# KiCad board TX75v2 PCB replacement.kicad_pcb (continued)
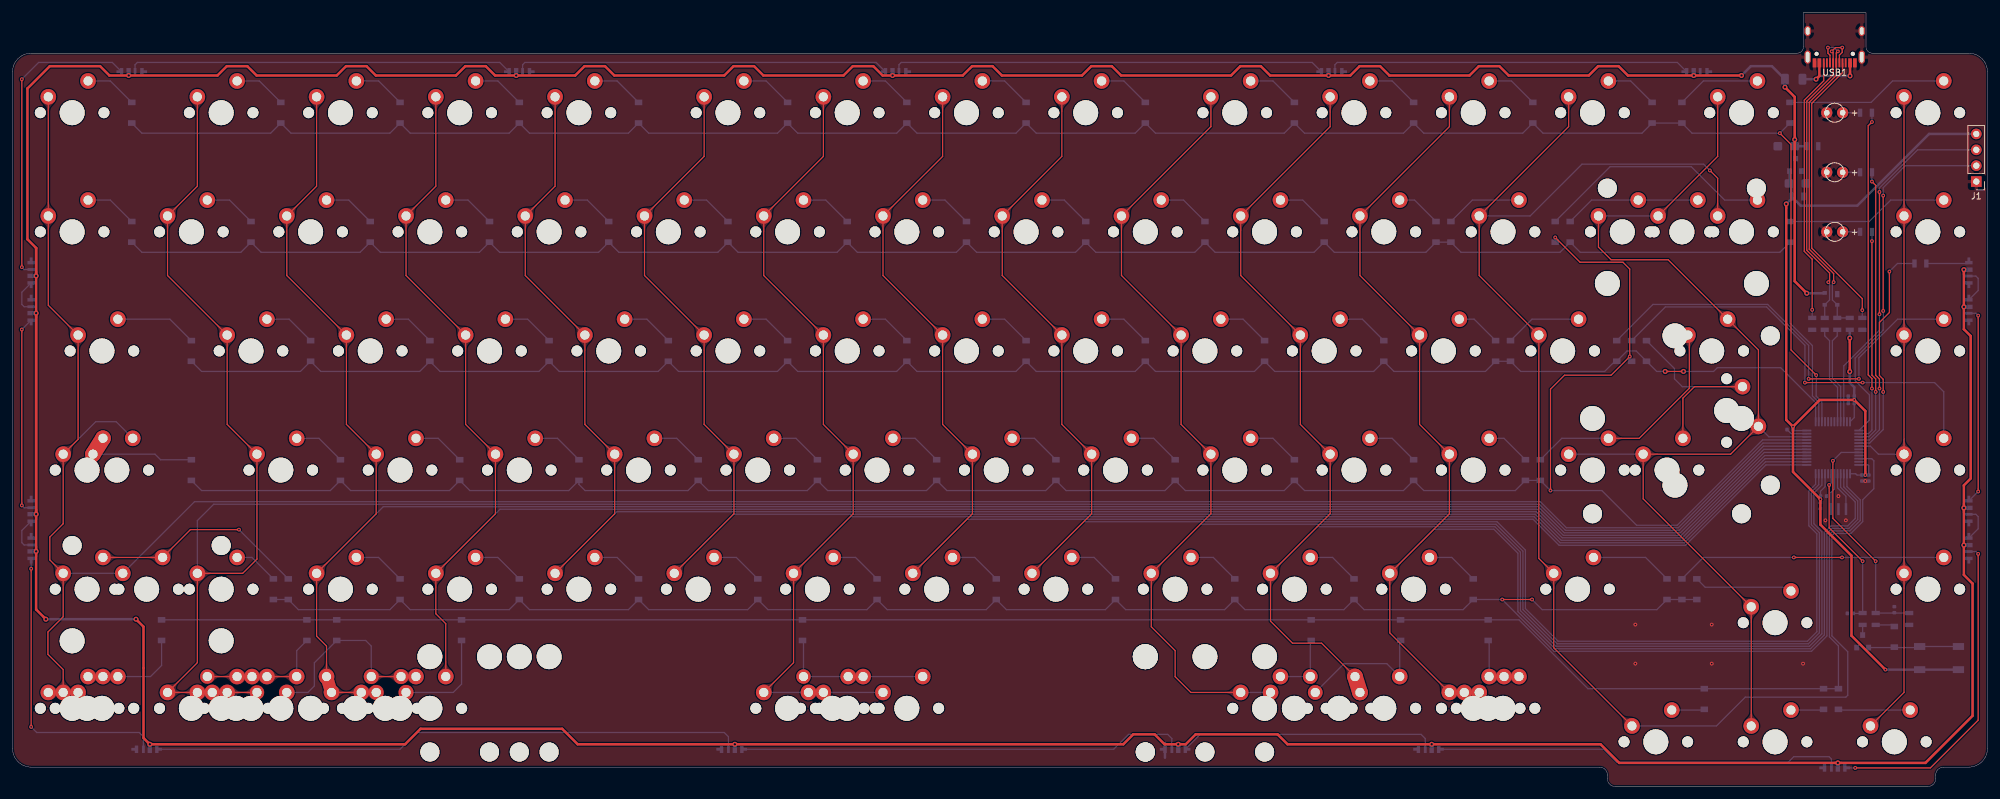
[diagram p0: board, top side]
## Nets
+5V: C11.1 D76.4 D77.4 D78.4 D79.4 D80.4 D81.4 D82.4 D83.4 D84.4 D85.4 D89.4 D90.4 D91.4 D92.4 D93.4 D94.4 D95.4 D96.4 F1.1 R8.1 U2.4 U3.3
GND: C1.1 C2.2 C4.1 C5.1 C6.1 C7.1 C8.1 C9.1 C10.1 C11.2 C12.2 D76.2 D77.2 D78.2 D79.2 D80.2 D81.2 D82.2 D83.2 D84.2 D85.2 D86.1 D87.1 D88.1 D89.2 D90.2 D91.2 D92.2 D93.2 D94.2 D95.2 D96.2 J1.1 Q1.2 R1.2 R4.1 R5.1 R8.2 R10.2 U1.8 U1.23 U1.35 U1.47 U2.1 U3.1 USB1.1 USB1.12 USB1.13 Y1.2
VCC: C4.2 C5.2 C6.2 C7.2 C8.2 C9.2 C10.2 C12.1 J1.4 R10.1 R14.1 SW1.1 U1.1 U1.9 U1.24 U1.36 U1.48 U3.2
/R+: R7.2 U2.3 USB1.5 USB1.7
/R-: R6.2 R14.2 U2.2 USB1.6 USB1.8
Boot0: C2.1 R1.1 R3.1 U1.44
C0: MX1.1 MX2.1 MX3.1 MX4.2 MX5.1 MX6.1 MX7.1 MX8.1 MX9.1 MX104.1 U1.20
C1: MX10.1 MX11.1 MX12.1 MX13.1 MX14.1 MX15.1 MX16.1 MX17.1 MX18.1 MX105.1 U1.19
C2: MX19.1 MX20.1 MX21.1 MX22.1 MX23.1 MX24.1 MX25.1 MX26.1 MX106.2 U1.18
C3: MX27.1 MX28.1 MX29.1 MX30.1 MX31.1 MX107.2 U1.17
C4: MX32.1 MX33.1 MX34.1 MX35.1 MX36.1 U1.16
C5: MX37.1 MX38.1 MX39.1 MX40.1 MX41.1 U1.15
C6: MX42.1 MX43.1 MX44.1 MX45.1 MX46.1 MX47.1 MX48.1 MX49.1 MX50.1 U1.14
C7: MX51.1 MX52.1 MX53.1 MX54.1 MX55.1 U1.13
C8: MX56.1 MX57.1 MX58.1 MX59.1 MX60.1 U1.12
C9: MX61.1 MX62.1 MX63.1 MX64.1 MX65.1 MX66.1 MX67.1 U1.11
C10: MX68.1 MX69.1 MX70.1 MX71.1 MX72.1 MX73.2 MX74.1 U1.10
C11: MX75.1 MX76.1 MX77.1 MX78.1 MX79.1 MX80.1 MX81.1 MX82.1 U1.4
C12: MX83.1 MX84.1 MX85.1 MX86.1 MX87.1 MX88.1 U1.46
C13: MX89.1 MX90.1 MX91.1 MX92.1 MX93.1 MX94.1 MX95.1 MX96.2 MX97.2 U1.22
C14: MX98.1 MX99.1 MX100.1 MX101.1 MX102.1 MX103.1 U1.42
D+: R6.1 U1.33
D-: R7.1 U1.32
HSE_0: U1.5 Y1.3
HSE_1: U1.6 Y1.1
indicator1: R11.2 U1.38
indicator2: R13.2 U1.39
indicator3: R12.2 U1.40
NRST: C1.2 R2.1 U1.7
R0: D3.1 D9.1 D15.1 D21.1 D26.1 D31.1 D36.1 D41.1 D46.1 D51.1 D56.1 D61.1 D66.1 D71.1 D97.1 U1.27
R1: D4.1 D10.1 D16.1 D22.1 D27.1 D32.1 D37.1 D42.1 D47.1 D52.1 D57.1 D62.1 D67.1 D72.1 D98.1 U1.26
R2: D5.1 D11.1 D17.1 D23.1 D28.1 D33.1 D38.1 D43.1 D48.1 D53.1 D58.1 D63.1 D68.1 D73.1 D99.1 U1.25
R3: D6.1 D12.1 D18.1 D24.1 D29.1 D34.1 D39.1 D44.1 D49.1 D54.1 D59.1 D64.1 D69.1 D74.1 D100.1 U1.21
R4: D7.1 D13.1 D19.1 D25.1 D30.1 D35.1 D40.1 D45.1 D50.1 D55.1 D60.1 D65.1 D70.1 D75.1 D101.1 U1.3
R5: D2.1 D8.1 D14.1 D20.1 D102.1 D103.1 D104.1 D105.1 D106.1 D107.1 D108.1 U1.2
RGB1: D93.3 D96.1
RGB2: D77.3 D90.1
RGB3: D76.1 D83.3
RGBLED: D78.1 R9.1
SWCLK: J1.2 U1.37
SWDIO: J1.3 U1.34
Net-(D1-Pad1): D1.1 R3.2
Net-(D1-Pad2): D1.2 Q1.1 SW1.2
Net-(D2-Pad2): D2.2 MX107.1
Net-(D3-Pad2): D3.2 MX1.2
Net-(D4-Pad2): D4.2 MX2.2
Net-(D5-Pad2): D5.2 MX3.2
Net-(D6-Pad2): D6.2 MX4.1 MX5.2
Net-(D7-Pad2): D7.2 MX6.2 MX7.2
Net-(D8-Pad2): D8.2 MX8.2 MX9.2 MX104.2
Net-(D9-Pad2): D9.2 MX10.2
Net-(D10-Pad2): D10.2 MX11.2
Net-(D11-Pad2): D11.2 MX12.2
Net-(D12-Pad2): D12.2 MX13.2
Net-(D13-Pad2): D13.2 MX14.2
Net-(D14-Pad2): D14.2 MX15.2 MX16.2 MX17.2 MX18.2 MX105.2
Net-(D15-Pad2): D15.2 MX19.2
Net-(D16-Pad2): D16.2 MX20.2
Net-(D17-Pad2): D17.2 MX21.2
Net-(D18-Pad2): D18.2 MX22.2
Net-(D19-Pad2): D19.2 MX23.2
Net-(D20-Pad2): D20.2 MX24.2 MX25.2 MX26.2 MX106.1
Net-(D21-Pad2): D21.2 MX27.2
Net-(D22-Pad2): D22.2 MX28.2
Net-(D23-Pad2): D23.2 MX29.2
Net-(D24-Pad2): D24.2 MX30.2
Net-(D25-Pad2): D25.2 MX31.2
Net-(D26-Pad2): D26.2 MX32.2
Net-(D27-Pad2): D27.2 MX33.2
Net-(D28-Pad2): D28.2 MX34.2
Net-(D29-Pad2): D29.2 MX35.2
Net-(D30-Pad2): D30.2 MX36.2
Net-(D31-Pad2): D31.2 MX37.2
Net-(D32-Pad2): D32.2 MX38.2
Net-(D33-Pad2): D33.2 MX39.2
Net-(D34-Pad2): D34.2 MX40.2
Net-(D35-Pad2): D35.2 MX41.2
Net-(D36-Pad2): D36.2 MX46.2
Net-(D37-Pad2): D37.2 MX47.2
Net-(D38-Pad2): D38.2 MX48.2
Net-(D39-Pad2): D39.2 MX49.2
Net-(D40-Pad2): D40.2 MX50.2
Net-(D41-Pad2): D41.2 MX51.2
Net-(D42-Pad2): D42.2 MX52.2
Net-(D43-Pad2): D43.2 MX53.2
Net-(D44-Pad2): D44.2 MX54.2
Net-(D45-Pad2): D45.2 MX55.2
Net-(D46-Pad2): D46.2 MX56.2
Net-(D47-Pad2): D47.2 MX57.2
Net-(D48-Pad2): D48.2 MX58.2
Net-(D49-Pad2): D49.2 MX59.2
Net-(D50-Pad2): D50.2 MX60.2
Net-(D51-Pad2): D51.2 MX61.2
Net-(D52-Pad2): D52.2 MX62.2
Net-(D53-Pad2): D53.2 MX63.2
Net-(D54-Pad2): D54.2 MX64.2
Net-(D55-Pad2): D55.2 MX65.2
Net-(D56-Pad2): D56.2 MX68.2
Net-(D57-Pad2): D57.2 MX69.2
Net-(D58-Pad2): D58.2 MX70.2
Net-(D59-Pad2): D59.2 MX71.2
Net-(D60-Pad2): D60.2 MX72.2
Net-(D61-Pad2): D61.2 MX75.2
Net-(D62-Pad2): D62.2 MX76.2
Net-(D63-Pad2): D63.2 MX77.2
Net-(D64-Pad2): D64.2 MX78.2
Net-(D65-Pad2): D65.2 MX79.2
Net-(D66-Pad2): D66.2 MX83.2
Net-(D67-Pad2): D67.2 MX84.2
Net-(D68-Pad2): D68.2 MX85.2
Net-(D69-Pad2): D69.2 MX86.2
Net-(D70-Pad2): D70.2 MX87.2
Net-(D71-Pad2): D71.2 MX89.2
Net-(D72-Pad2): D72.2 MX90.2 MX91.2
Net-(D73-Pad2): D73.2 MX93.2 MX97.1
Net-(D74-Pad2): D74.2 MX92.2 MX96.1
Net-(D75-Pad2): D75.2 MX94.2
Net-(D76-Pad3): D76.3 D80.1
Net-(D77-Pad1): D77.1 D81.3
Net-(D78-Pad3): D78.3 D82.1
Net-(D79-Pad1): D79.1 D94.3
Net-(D79-Pad3): D79.3 D83.1
Net-(D80-Pad3): D80.3 D84.1
Net-(D81-Pad1): D81.1 D85.3
Net-(D82-Pad3): D82.3 D89.1
Net-(D84-Pad3): D84.3 D91.1
Net-(D85-Pad1): D85.1 D92.3
Net-(D86-Pad2): D86.2 R11.1
Net-(D87-Pad2): D87.2 R12.1
Net-(D88-Pad2): D88.2 R13.1
Net-(D89-Pad3): D89.3 D93.1
Net-(D90-Pad3): D90.3 D94.1
Net-(D91-Pad3): D91.3 D95.1
Net-(D92-Pad1): D92.1 D96.3
Net-(D95-Pad3): D95.3
Net-(D97-Pad2): D97.2 MX98.2
Net-(D98-Pad2): D98.2 MX99.2
Net-(D99-Pad2): D99.2 MX100.2
Net-(D100-Pad2): D100.2 MX101.2
Net-(D101-Pad2): D101.2 MX102.2
Net-(D102-Pad2): D102.2 MX66.2 MX67.2
Net-(D103-Pad2): D103.2 MX73.1 MX74.2
Net-(D104-Pad2): D104.2 MX80.2 MX81.2 MX82.2
Net-(D105-Pad2): D105.2 MX88.2
Net-(D106-Pad2): D106.2 MX95.2
Net-(D107-Pad2): D107.2 MX103.2
Net-(D108-Pad2): D108.2 MX42.2 MX43.2 MX44.2 MX45.2
Net-(F1-Pad2): F1.2 USB1.2 USB1.11
Net-(Q1-Pad3): Q1.3 R2.2
Net-(R4-Pad2): R4.2 USB1.4
Net-(R5-Pad2): R5.2 USB1.10
Net-(R9-Pad2): R9.2 U1.41
Net-(U1-Pad28): U1.28
Net-(U1-Pad29): U1.29
Net-(U1-Pad30): U1.30
Net-(U1-Pad31): U1.31
Net-(U1-Pad43): U1.43
Net-(U1-Pad45): U1.45
Net-(USB1-Pad3): USB1.3
Net-(USB1-Pad9): USB1.9

## Via types
v1: diameter 0.8, hole 0.4, Top to Bottom, 31 vias
v2: diameter 0.6, hole 0.3, Top to Bottom, 63 vias

## Routing (per net, layer and track width the routed paths; a pad name or vN(x,y) marks a point on that pad's centre or on a via; arc(x,y) is an arc through that point)
+5V: length 883.5
  Top w0.4: v1(311.74,82.65) 311.74,73.13 312.84,72.03 312.84,49.26 311.74,48.17 v1(311.74,44.55) 311.74,33.84 313.14,32.44 313.14,11.31 305.6,3.77 v1(291.61,3.77) 256.68,3.77 253.7,6.75 203.69,6.75 202.11,8.33 189.01,8.33 187.43,6.75 v1(186.24,6.75) 184.05,6.75 182.46,8.33 179.04,8.33 177.46,6.75 90.29,6.75 87.81,9.23 65.19,9.23 62.71,6.75 v1(21.93,6.75) 20.92,7.76 20.92,25.55 v1(19.72,26.75) ; v1(3.77,43.55) v1(3.77,37.6) 3.77,28.3 v1(5.32,26.75) ; v1(3.77,43.55) v1(3.77,75.7) ; v1(3.77,43.55) 3.77,86.12 ; v1(286.64,78.88) 284.72,80.8 v1(284.72,103.45) 284.72,110.27 v1(283.16,111.83) ; v1(276.23,113.7) v1(268.59,113.7) 258.07,113.7 256.58,115.19 253.31,115.19 251.82,113.7 239.02,113.7 237.53,115.19 234.26,115.19 232.77,113.7 219.97,113.7 218.48,115.19 215.21,115.19 213.72,113.7 200.92,113.7 199.43,115.19 196.16,115.19 194.67,113.7 177.11,113.7 175.62,115.19 172.34,115.19 170.86,113.7 158.06,113.7 156.57,115.19 153.29,115.19 151.81,113.7 139.01,113.7 137.52,115.19 134.24,115.19 132.76,113.7 119.96,113.7 118.47,115.19 115.19,115.19 113.71,113.7 96.14,113.7 94.66,115.19 91.38,115.19 89.89,113.7 77.09,113.7 75.61,115.19 72.33,115.19 70.84,113.7 58.04,113.7 56.56,115.19 53.28,115.19 51.79,113.7 38.99,113.7 37.51,115.19 34.23,115.19 32.74,113.7 15.48,113.7 13.99,115.19 5.95,115.19 2.38,111.62 2.38,87.51 3.77,86.12 ; 3.77,86.12 v1(3.77,81.65)
  Bottom w0.4: D78.4 v1(311.74,82.65) ; D82.4 v1(311.74,76.7) ; D93.4 v1(311.74,38.6) ; D81.4 v1(115.4,6.75) ; D85.4 v1(186.24,6.75) ; D92.4 v1(226.72,6.75) ; D77.4 v1(21.93,6.75) ; D83.4 v1(3.77,81.65) ; D79.4 v1(3.77,75.7) ; D94.4 v1(3.77,43.55) ; v1(19.72,26.75) v1(5.32,26.75) ; C11.1 R8.1 ; C11.1 v1(284.72,103.45) ; C11.1 284.72,100.75 ; v1(276.23,113.7) 277.71,115.19 281.08,115.19 F1.1 v1(283.16,111.83) ; D96.4 v1(291.61,3.77) ; v1(286.64,78.88) 289.32,78.88 ; D90.4 v1(3.77,37.6) ; D89.4 v1(311.74,44.55)
  vias: v1(18.56,113.7) v1(80.47,113.7) v1(140.6,113.7) v1(210.25,113.7)
GND: length 8
  Bottom w0.2: C9.1 284.14,56.42 U1.23
  Bottom w0.4: C10.1 v2(296,48.85) C5.1 ; 184.11,6.98 D85.2 184.11,4.6 ; C4.1 C7.1
  vias: v2(259.26,25.9) v2(259.26,19.65) v2(271.46,25.9) v2(271.46,19.65) v2(286.05,19.65) v2(289.62,42.56) v2(291.7,46.43) v2(292.89,42.56)
VCC: length 185.8
  Top w0.4: v2(284.44,57.55) 284.44,50.31 v2(288.82,45.93) 288.82,41.87 293.79,36.91 293.79,24.11 v2(299.21,18.69) ; v2(284.44,57.55) 288.71,61.82 v2(294.23,61.82) 296.01,60.04 v2(296.01,49.81) ; v2(284.44,57.55) 283.37,58.63 v1(283.37,93.17) ; v1(293.51,71.72) v1(293.51,66.35)
  Bottom w0.2: U1.9 289.56,47.94 288.84,47.22 C8.2 288.84,45.35 ; U1.1 294.47,50.01 294.67,49.81 C5.2 ; U1.48 296.42,51.42 296.55,51.3 C10.2 ; C7.2 294.23,59.01 U1.36 ; U1.24 284.59,56.92
  Bottom w0.4: C7.2 v2(294.23,61.82) C4.2 294.23,63.85 293.51,64.57 v1(293.51,66.35) ; C10.2 v2(296.01,49.81) C5.2 ; J1.4 306.19,104.36 294.72,92.89 285.67,92.89 R10.1 284.21,96.5 ; C9.2 v2(284.44,57.55) ; v2(299.21,18.69) SW1.1 SW1.1 ; 284.21,94 v1(283.37,93.17) ; R14.1 v1(293.51,71.72) ; U3.2 283.91,96.8
/R+: length 51
  Top w0.2: USB1.5 291.86,116.95 292.31,117.4 v2(292.31,118.17) 291.23,118.17 v2(290.63,117.57) 290.86,117.34 USB1.7 290.86,113.8 286.64,109.59 286.64,85.75 290.29,82.11 290.29,80.85 v2(290.09,80.65)
  Bottom w0.2: R7.2 U2.3 290.29,77.81 290.29,80.45 v2(290.09,80.65)
/R-: length 53
  Top w0.2: USB1.8 290.36,116.95 290.03,117.28 v2(290.03,118.17) ; v2(291.62,117.57) 291.36,117.31 USB1.6 291.36,113.73 287.04,109.42 287.04,85.92 290.94,82.03 v2(290.94,80.65)
  Bottom w0.2: v2(290.03,118.17) 291.02,118.17 v2(291.62,117.57) ; R14.2 R6.2 U2.2 291.51,77.04 290.74,77.81 290.74,80.45 v2(290.94,80.65)
Boot0: length 37.3
  Top w0.2: v2(290.82,52.09) 290.82,42.87 v2(297.66,36.03)
  Bottom w0.2: U1.44 292.15,53.42 v2(290.82,52.09) ; R1.1 R3.1 v2(297.66,36.03)
C0: length 411.8
  Top w0.2: MX8.1 8.1,18.69 5.66,21.13 5.66,24.71 8.1,27.15 MX7.1 5.95,36.23 5.95,39.89 8.1,42.03 MX5.1 10.48,55.52 MX3.1 5.71,76.95 MX2.1 MX1.1
  Top w0.4: MX104.1 10.48,15.04 MX9.1
  Bottom w0.2: MX4.2 16.55,58.34 13.3,58.34 MX5.1 ; U1.20 279.65,54.92 266.11,41.37 248.25,41.37 244.08,45.54 29.07,45.54 MX6.1 MX7.1
C1: length 401.5
  Top w0.2: MX10.1 29.53,96 MX11.1 24.76,81.72 MX12.1 34.29,57.9 MX13.1 39.05,36.37 36.77,34.09 MX14.1 29.53,19.8 MX105.1 29.53,15.04 MX16.1 ; MX18.1 MX17.1
  Top w0.4: MX16.1 MX17.1
  Bottom w0.2: U1.19 279.72,54.42 266.27,40.97 248.08,40.97 243.91,45.14 32.15,45.14 29.53,42.52 MX14.1
C2: length 364.7
  Top w0.2: MX19.1 48.58,96 MX20.1 43.81,81.72 MX21.1 53.34,57.9 MX22.1 58.1,43.62 MX23.1 48.58,24.05 50.17,22.46 MX106.2 ; MX24.1 MX25.1
  Top w0.4: MX25.1 MX26.1
  Top w2: MX106.2 MX24.1
  Bottom w0.2: U1.18 279.79,53.92 266.44,40.57 247.91,40.57 243.75,44.74 59.23,44.74 MX23.1
C3: length 335.7
  Top w0.2: MX27.1 67.63,96 MX28.1 62.86,81.72 MX29.1 72.39,57.9 MX30.1 77.15,43.62 MX31.1 67.63,27.62 69.22,26.03 MX107.2
  Bottom w0.2: MX31.1 77.88,44.34 243.58,44.34 247.75,40.17 266.6,40.17 279.85,53.42 U1.17
C4: length 299.3
  Top w0.2: MX36.1 96.2,43.62 MX35.1 91.44,57.9 MX34.1 81.91,81.72 MX33.1 86.68,96 MX32.1
  Bottom w0.2: MX36.1 96.53,43.94 243.42,43.94 247.58,39.77 266.77,39.77 279.92,52.92 U1.16
C5: length 282
  Top w0.2: MX37.1 110.49,100.77 MX38.1 100.97,81.72 MX39.1 110.49,57.9 MX40.1 115.25,43.62 MX41.1
  Bottom w0.2: MX41.1 115.18,43.54 243.25,43.54 247.42,39.37 266.93,39.37 279.98,52.42 U1.15
C6: length 302.8
  Top w0.2: MX44.1 124.78,19.8 MX50.1 134.3,43.62 MX49.1 129.54,57.9 MX48.1 120.01,81.72 MX47.1 129.54,100.77 MX46.1
  Top w0.4: MX42.1 MX43.1
  Bottom w0.2: MX50.1 133.83,43.14 243.08,43.14 247.25,38.97 267.1,38.97 280.05,51.92 U1.14 ; MX45.1 MX43.1 ; MX44.1 MX42.1
C7: length 243.5
  Top w0.2: MX51.1 148.59,100.77 MX52.1 139.06,81.72 MX53.1 148.59,57.9 MX54.1 153.35,43.62 MX55.1
  Bottom w0.2: MX55.1 152.48,42.74 242.92,42.74 247.09,38.57 267.27,38.57 280.11,51.42 U1.13
C8: length 259.1
  Top w0.2: MX56.1 167.64,100.77 MX57.1 158.12,81.72 MX58.1 167.64,57.9 MX59.1 172.4,43.62 MX60.1
  Bottom w0.2: MX60.1 171.13,42.34 237.16,42.34 241.7,37.8 241.7,28.46 246.93,23.23 286.74,23.23 288.26,24.75 288.26,40.41 286.98,41.69 286.98,47.25 288.06,48.33 U1.12
C9: length 277
  Top w0.2: MX61.1 191.45,105.53 MX62.1 177.16,81.72 MX63.1 186.69,57.9 MX64.1 191.45,43.62 MX65.1 181.93,25.54 185.74,21.73 185.74,17.56 188.26,15.04 MX66.1
  Bottom w0.2: U1.11 288.56,48.26 287.38,47.08 287.38,41.86 288.66,40.58 288.66,24.58 286.91,22.83 246.76,22.83 241.3,28.29 241.3,37.64 236.99,41.94 189.78,41.94 MX65.1 ; MX66.1 201.07,15.04
C10: length 251.5
  Top w0.2: MX73.2 209.13,22.92 204.49,22.92 200.98,26.43 MX72.1 210.5,43.62 MX71.1 205.74,57.9 MX70.1 196.22,81.72 MX69.1 210.5,105.53 MX68.1
  Top w2.5: MX73.2 MX74.1
  Bottom w0.2: U1.10 289.06,48.2 287.78,46.92 287.78,42.02 289.06,40.74 289.06,24.41 287.07,22.43 246.6,22.43 240.9,28.13 240.9,37.47 236.83,41.54 208.43,41.54 MX72.1
C11: length 236.7
  Top w0.2: MX75.1 229.55,105.53 MX76.1 215.27,81.72 MX77.1 224.79,57.9 MX78.1 229.55,43.62 MX79.1 220.03,24.57 MX81.1
  Top w0.4: MX81.1 MX82.1
  Bottom w0.2: U1.4 292.06,47.83 294.39,45.51 294.39,42.87 293.19,41.67 290.51,41.67 289.46,40.62 289.46,24.25 287.24,22.03 246.43,22.03 240.5,27.96 240.5,37.31 236.66,41.14 227.08,41.14 MX79.1
C12: length 247
  Top w0.2: MX83.1 248.6,105.53 MX84.1 234.31,81.72 MX85.1 243.84,36.47 MX87.1 246.22,22.19 MX88.1 ; v2(271.17,98.52) 272.41,97.27 MX86.1
  Bottom w0.2: MX84.1 242.45,91.24 250.73,99.52 270.17,99.52 v2(271.17,98.52) ; MX88.1 272.22,9.68 276.82,14.29 292.89,14.29 293.19,14.58 293.19,21.55 290.66,24.08 290.66,40.12 291.01,40.47 293.69,40.47 295.59,42.37 295.59,45.85 297.36,47.62 297.36,52.09 297.03,52.42 U1.46
C13: length 173.3
  Top w0.2: MX89.1 272.41,100.77 MX90.1 ; MX91.1 253.37,86.26 255.39,84.24 264.5,84.24 MX96.2 278.92,69.81 MX97.2 274.48,53.14 MX93.1 260.51,46 MX94.1 MX95.1
  Bottom w0.2: MX91.1 MX90.1 ; MX97.2 280.59,55.92 U1.22 ; MX92.1 MX93.1
C14: length 110.6
  Top w0.2: MX103.1 302.18,15.04 MX102.1 MX101.1 MX100.1 MX99.1 MX98.1
  Bottom w0.2: U1.42 296.81,54.42 298.09,53.14 MX101.1
D+: length 15.6
  Bottom w0.2: R6.1 291.51,72.06 290.74,71.29 290.74,65.28 292.06,63.96 U1.33
D-: length 15.5
  Bottom w0.2: U1.32 291.56,63.82 290.29,65.09 290.29,71.29 289.51,72.06 R7.1
HSE_0: length 6.2
  Bottom w0.2: U1.5 291.56,47.77 292.9,46.42 Y1.3
HSE_1: length 5.9
  Bottom w0.2: Y1.1 290.5,47.02 291.06,47.58 U1.6
indicator1: length 53.6
  Top w0.2: v2(297.06,63.64) 297.06,65.22 296.46,65.82 296.46,105.67 v2(297.06,106.27)
  Bottom w0.2: U1.38 296.5,56.42 297.06,56.98 v2(297.06,63.64) ; R11.2 v2(297.06,106.27)
indicator2: length 35.1
  Top w0.2: v2(297.06,87.22) 297.06,65.79 297.66,65.19 v2(297.66,63.1)
  Bottom w0.2: v2(297.66,63.1) 297.66,57.02 296.56,55.92 U1.39 ; R13.2 v2(297.06,87.22)
indicator3: length 45.6
  Top w0.2: v2(298.26,63.64) 298.26,65.15 297.66,65.75 297.66,96.14 v2(297.06,96.74)
  Bottom w0.2: U1.40 296.63,55.42 298.26,57.05 v2(298.26,63.64) ; R12.2 v2(297.06,96.74)
NRST: length 26.1
  Top w0.2: v2(290.22,48.22) 290.22,48.22 290.22,41.38 v2(295.57,36.03)
  Bottom w0.2: C1.2 295.57,27.68 ; U1.7 290.56,48.57 v2(290.22,48.22) ; R2.1 v2(295.57,36.03)
R0: length 331.3
  Top w0.2: v2(282.34,104.48) 284.12,102.69 284.12,69.81 v2(288.15,65.79)
  Bottom w0.2: D97.1 v2(282.34,104.48) 268.32,104.48 D71.1 D66.1 260.31,104.48 244.51,104.48 D61.1 241.26,104.48 225.46,104.48 D56.1 222.21,104.48 206.41,104.48 D51.1 203.16,104.48 182.6,104.48 D46.1 179.35,104.48 163.55,104.48 D41.1 160.3,104.48 144.5,104.48 D36.1 141.25,104.48 125.45,104.48 D31.1 122.2,104.48 101.64,104.48 D26.1 98.39,104.48 82.59,104.48 D21.1 79.34,104.48 63.54,104.48 D15.1 60.29,104.48 44.49,104.48 D9.1 41.24,104.48 20.67,104.48 D3.1 ; v2(288.15,65.79) 288.15,62.43 289.06,61.52 U1.27
R1: length 313
  Bottom w0.2: 38.1,87.05 36.48,85.43 20.67,85.43 D4.1 ; D10.1 39.72,85.43 55.53,85.43 D16.1 58.77,85.43 74.58,85.43 D22.1 77.82,85.43 93.63,85.43 D27.1 96.87,85.43 112.68,85.43 D32.1 115.92,85.43 131.73,85.43 D37.1 134.97,85.43 150.78,85.43 D42.1 154.02,85.43 169.83,85.43 D47.1 173.07,85.43 188.88,85.43 D52.1 192.12,85.43 207.93,85.43 D57.1 211.17,85.43 225.79,85.43 D62.1 D67.1 231.42,85.43 247.22,85.43 D72.1 250.47,85.43 282.34,85.43 D98.1 283.96,74.09 287.55,70.51 287.55,62.47 288.56,61.45 U1.26
R2: length 283
  Top w0.2: v1(264.02,66.38) v1(266.95,66.38)
  Bottom w0.2: 47.63,68 46,66.38 30.2,66.38 D5.1 ; U1.25 288.06,61.39 282.48,66.97 272.36,66.97 271.76,66.38 v1(266.95,66.38) ; D11.1 49.25,66.38 65.05,66.38 D17.1 68.3,66.38 84.1,66.38 D23.1 87.35,66.38 103.15,66.38 D28.1 106.4,66.38 122.2,66.38 D33.1 125.45,66.38 141.25,66.38 D38.1 144.5,66.38 160.3,66.38 D43.1 163.55,66.38 179.35,66.38 D48.1 182.6,66.38 198.4,66.38 D53.1 201.65,66.38 217.45,66.38 D58.1 220.7,66.38 235.31,66.38 D63.1 D68.1 240.94,66.38 254.36,66.38 255.99,68 ; v1(264.02,66.38) 262.67,66.38 D73.1 259.4,69.65 257.93,69.65 D99.1
R3: length 342.4
  Top w0.2: v2(245.7,47.33) 245.7,63.54 247.95,65.78 255.39,65.78 v2(258.37,68.76) 258.37,82.75 257.28,83.84 250.43,83.84 v2(246.46,87.81)
  Bottom w0.2: 52.39,48.95 50.76,47.33 30.2,47.33 28.58,48.95 ; v2(258.37,68.76) 258.37,68 ; D12.1 54.01,47.33 69.81,47.33 D18.1 73.06,47.33 88.86,47.33 D24.1 90.49,48.3 91.46,47.33 107.91,47.33 D29.1 111.16,47.33 126.96,47.33 D34.1 130.21,47.33 146.01,47.33 D39.1 149.26,47.33 165.06,47.33 D44.1 168.31,47.33 184.11,47.33 D49.1 187.36,47.33 203.16,47.33 D54.1 206.41,47.33 222.21,47.33 D59.1 225.46,47.33 240.07,47.33 D64.1 D74.1 v2(245.7,47.33) 253.9,47.33 259.45,41.77 265.94,41.77 279.59,55.42 U1.21 ; v2(246.46,87.81) D69.1
R4: length 329
  Top w0.2: v2(237.99,29.9) v2(242.75,29.9)
  Bottom w0.2: 61.91,29.9 60.29,28.28 45.68,28.28 D7.1 D13.1 ; v2(242.75,29.9) 244.38,28.28 262.69,28.28 D70.1 269.08,29.9 D75.1 ; U1.3 292.56,47.9 294.79,45.67 294.79,42.7 293.36,41.27 290.68,41.27 289.86,40.45 289.86,24.08 287.4,21.63 246.26,21.63 v2(237.99,29.9) D65.1 231.74,28.28 215.94,28.28 D60.1 212.69,28.28 196.89,28.28 D55.1 193.64,28.28 177.84,28.28 D50.1 174.59,28.28 158.79,28.28 D45.1 155.54,28.28 139.74,28.28 D40.1 136.49,28.28 120.69,28.28 D35.1 117.44,28.28 101.64,28.28 D30.1 98.39,28.28 82.59,28.28 D25.1 79.34,28.28 63.54,28.28 D19.1
R5: length 311.9
  Bottom w0.2: U1.2 293.06,47.96 295.19,45.84 295.19,42.53 293.52,40.87 290.84,40.87 290.26,40.29 290.26,23.92 291.7,22.47 D107.1 251.69,15.64 240.67,26.65 D20.1 D8.1
RGB1: length 52.7
  Top w0.2: v2(294.38,2.98) 306.4,2.98 314.03,10.6 v2(314.03,37.21)
  Bottom w0.2: D93.3 313.66,37.57 v2(314.03,37.21) ; D96.1 v2(294.38,2.98)
RGB2: length 47.5
  Top w0.2: v2(2.98,34.83) v2(2.98,9.52)
  Bottom w0.2: D77.3 20.91,7.97 20.24,8.63 3.87,8.63 v2(2.98,9.52) ; D90.1 v2(2.98,34.83)
RGB3: length 49.4
  Top w0.2: v2(1.49,83.05) v2(1.49,113.11)
  Bottom w0.2: D83.3 1.86,82.68 v2(1.49,83.05) ; D76.1 15.94,115.79 4.17,115.79 v2(1.49,113.11)
RGBLED: length 6.8
  Bottom w0.2: R9.1 312.5,83.64
SWCLK: length 58.7
  Top w0.2: v2(298.86,76.05) v2(298.86,94.5)
  Bottom w0.2: v2(298.86,94.5) 298.86,95.76 302.38,99.28 J1.2 ; U1.37 296.66,58.61 296.66,62.62 294.38,64.9 294.38,68.52 298.86,73 v2(298.86,76.05)
SWDIO: length 57.7
  Top w0.2: v2(298.26,75.52) v2(298.26,95.08)
  Bottom w0.2: v2(298.26,75.52) 298.26,72.97 292.56,67.27 U1.34 ; J1.3 304.35,101.82 298.26,95.72 v2(298.26,95.08)
Net-(D1-Pad1): length 2.9
  Bottom w0.2: R3.2 300.61,25.84
Net-(D1-Pad2): length 14.6
  Bottom w0.2: SW1.2 SW1.2 ; Q1.1 304.91,22.22
Net-(D2-Pad2): length 16.4
  Bottom w0.2: MX107.1 70.41,15.04 71.74,16.37 D2.2
Net-(D3-Pad2): length 8.4
  Bottom w0.2: D3.2 15.62,112.83 MX1.2
Net-(D4-Pad2): length 8.4
  Bottom w0.2: D4.2 15.62,93.78 MX2.2
Net-(D5-Pad2): length 13.2
  Bottom w0.2: D5.2 25.14,74.73 MX3.2
Net-(D6-Pad2): length 19.1
  Top w2.5: MX5.2 MX4.1
  Bottom w0.2: MX4.1 22.76,53.14 23.65,52.25 D6.2
Net-(D7-Pad2): length 34.7
  Top w0.2: v2(36.18,41.08) 28.42,41.08 MX6.2 MX7.2
  Bottom w0.2: v2(36.18,41.08) D7.2
Net-(D8-Pad2): length 16.5
  Top w0.2: 12.07,17.58 MX104.2
  Top w0.4: MX9.2 16.83,17.58 MX104.2
  Bottom w0.2: MX9.2 22.05,17.58 23.81,19.35 D8.2
Net-(D9-Pad2): length 8.4
  Bottom w0.2: D9.2 39.43,112.83 MX10.2
Net-(D10-Pad2): length 8.4
  Bottom w0.2: D10.2 34.67,93.78 MX11.2
Net-(D11-Pad2): length 8.4
  Bottom w0.2: D11.2 44.19,74.73 MX12.2
Net-(D12-Pad2): length 8.4
  Bottom w0.2: D12.2 48.96,55.68 MX13.2
Net-(D13-Pad2): length 7.2
  Bottom w0.2: MX14.2 38.24,36.63 D13.2
Net-(D14-Pad2): length 20.7
  Top w0.2: MX16.2 35.88,17.58 MX105.2 ; MX18.2 MX17.2
  Top w0.4: MX16.2 MX17.2
  Bottom w0.2: D14.2 45.4,21.73 MX18.2
Net-(D15-Pad2): length 8.4
  Bottom w0.2: D15.2 58.48,112.83 MX19.2
Net-(D16-Pad2): length 8.4
  Bottom w0.2: D16.2 53.72,93.78 MX20.2
Net-(D17-Pad2): length 8.4
  Bottom w0.2: D17.2 63.24,74.73 MX21.2
Net-(D18-Pad2): length 8.4
  Bottom w0.2: D18.2 68.01,55.68 MX22.2
Net-(D19-Pad2): length 8.4
  Bottom w0.2: MX23.2 58.48,36.63 D19.2
Net-(D20-Pad2): length 31.5
  Top w0.2: MX24.2 MX25.2
  Top w0.4: MX25.2 MX26.2
  Bottom w0.2: MX106.1 47.19,15.04 48.22,16.07 48.22,19.78 D20.2 56.42,23.35 57.31,22.46 MX24.2
Net-(D21-Pad2): length 8.4
  Bottom w0.2: D21.2 77.53,112.83 MX27.2
Net-(D22-Pad2): length 8.4
  Bottom w0.2: MX28.2 72.77,93.78 D22.2
Net-(D23-Pad2): length 8.4
  Bottom w0.2: MX29.2 82.29,74.73 D23.2
Net-(D24-Pad2): length 8.4
  Bottom w0.2: MX30.2 87.06,55.68 D24.2
Net-(D25-Pad2): length 8.4
  Bottom w0.2: MX31.2 77.53,36.63 D25.2
Net-(D26-Pad2): length 8.4
  Bottom w0.2: D26.2 96.58,112.83 MX32.2
Net-(D27-Pad2): length 8.4
  Bottom w0.2: D27.2 91.82,93.78 MX33.2
Net-(D28-Pad2): length 8.4
  Bottom w0.2: MX34.2 101.34,74.73 D28.2
Net-(D29-Pad2): length 8.4
  Bottom w0.2: D29.2 106.11,55.68 MX35.2
Net-(D30-Pad2): length 8.4
  Bottom w0.2: MX36.2 96.58,36.63 D30.2
Net-(D31-Pad2): length 8.4
  Bottom w0.2: D31.2 120.4,112.83 MX37.2
Net-(D32-Pad2): length 8.4
  Bottom w0.2: D32.2 110.87,93.78 MX38.2
Net-(D33-Pad2): length 8.4
  Bottom w0.2: MX39.2 120.4,74.73 D33.2
Net-(D34-Pad2): length 8.4
  Bottom w0.2: MX40.2 125.16,55.68 D34.2
Net-(D35-Pad2): length 8.4
  Bottom w0.2: D35.2 115.63,36.63 MX41.2
Net-(D36-Pad2): length 8.4
  Bottom w0.2: D36.2 139.44,112.83 MX46.2
Net-(D37-Pad2): length 8.4
  Bottom w0.2: D37.2 129.92,93.78 MX47.2
Net-(D38-Pad2): length 8.4
  Bottom w0.2: D38.2 139.44,74.73 MX48.2
Net-(D39-Pad2): length 8.4
  Bottom w0.2: D39.2 144.21,55.68 MX49.2
Net-(D40-Pad2): length 8.4
  Bottom w0.2: D40.2 134.68,36.63 MX50.2
Net-(D41-Pad2): length 8.4
  Bottom w0.2: MX51.2 158.5,112.83 D41.2
Net-(D42-Pad2): length 8.4
  Bottom w0.2: D42.2 148.97,93.78 MX52.2
Net-(D43-Pad2): length 8.4
  Bottom w0.2: D43.2 158.5,74.73 MX53.2
Net-(D44-Pad2): length 8.4
  Bottom w0.2: D44.2 163.26,55.68 MX54.2
Net-(D45-Pad2): length 8.4
  Bottom w0.2: D45.2 153.73,36.63 MX55.2
Net-(D46-Pad2): length 8.4
  Bottom w0.2: D46.2 177.55,112.83 MX56.2
Net-(D47-Pad2): length 8.4
  Bottom w0.2: MX57.2 168.02,93.78 D47.2
Net-(D48-Pad2): length 8.4
  Bottom w0.2: MX58.2 177.55,74.73 D48.2
Net-(D49-Pad2): length 8.4
  Bottom w0.2: MX59.2 182.31,55.68 D49.2
Net-(D50-Pad2): length 8.4
  Bottom w0.2: MX60.2 172.78,36.63 D50.2
Net-(D51-Pad2): length 8.4
  Bottom w0.2: MX61.2 201.36,112.83 D51.2
Net-(D52-Pad2): length 8.4
  Bottom w0.2: D52.2 187.07,93.78 MX62.2
Net-(D53-Pad2): length 8.4
  Bottom w0.2: MX63.2 196.59,74.73 D53.2
Net-(D54-Pad2): length 8.4
  Bottom w0.2: MX64.2 201.36,55.68 D54.2
Net-(D55-Pad2): length 8.4
  Bottom w0.2: MX65.2 191.83,36.63 D55.2
Net-(D56-Pad2): length 8.4
  Bottom w0.2: MX68.2 220.41,112.83 D56.2
Net-(D57-Pad2): length 8.4
  Bottom w0.2: D57.2 206.12,93.78 MX69.2
Net-(D58-Pad2): length 8.4
  Bottom w0.2: D58.2 215.65,74.73 MX70.2
Net-(D59-Pad2): length 8.4
  Bottom w0.2: MX71.2 220.41,55.68 D59.2
Net-(D60-Pad2): length 8.4
  Bottom w0.2: D60.2 210.88,36.63 MX72.2
Net-(D61-Pad2): length 8.4
  Bottom w0.2: D61.2 239.46,112.83 MX75.2
Net-(D62-Pad2): length 7.2
  Bottom w0.2: D62.2 223.98,93.78 MX76.2
Net-(D63-Pad2): length 7.2
  Bottom w0.2: D63.2 233.5,74.73 MX77.2
Net-(D64-Pad2): length 7.2
  Bottom w0.2: D64.2 238.27,55.68 MX78.2
Net-(D65-Pad2): length 8.4
  Bottom w0.2: D65.2 229.93,36.63 MX79.2
Net-(D66-Pad2): length 8.4
  Bottom w0.2: D66.2 258.51,112.83 MX83.2
Net-(D67-Pad2): length 12.3
  Bottom w0.2: MX84.2 233.22,93.78 D67.2
Net-(D68-Pad2): length 12.3
  Bottom w0.2: D68.2 242.75,74.73 MX85.2
Net-(D69-Pad2): length 38.1
  Bottom w0.2: MX86.2 273.53,93.78 268.19,99.12 255.23,99.12 D69.2
Net-(D70-Pad2): length 13.2
  Bottom w0.2: MX87.2 260.89,36.63 D70.2
Net-(D71-Pad2): length 13.5
  Bottom w0.2: D71.2 270.13,112.83 MX89.2
Net-(D72-Pad2): length 21.8
  Bottom w0.2: MX90.2 MX91.2 252.27,93.78 D72.2
Net-(D73-Pad2): length 36.1
  Top w0.2: MX93.2 266.86,62.1 268.69,63.94 MX97.1
  Bottom w0.2: D73.2 265.51,66.84 265.51,65.19 266.76,63.94 MX97.1
Net-(D74-Pad2): length 37
  Top w0.2: 267.88,72.19 267.88,63.69 259.87,55.68 MX92.2
  Bottom w0.2: D74.2 247.51,55.68 MX92.2
Net-(D75-Pad2): length 15
  Bottom w0.2: 283.53,31.87 270.41,31.87 D75.2
Net-(D76-Pad3): length 61.7
  Bottom w0.2: D80.1 77.85,115.79 19.94,115.79 19.58,115.42 D76.3
Net-(D77-Pad1): length 94.7
  Bottom w0.2: D81.3 114.37,7.97 113.71,8.63 64.59,8.63 61.91,5.95 D77.1
Net-(D78-Pad3): length 5.7
  Bottom w0.2: D78.3 313.66,81.63 314.03,81.26 314.03,79.31 D82.1
Net-(D79-Pad1): length 31.9
  Top w0.2: v2(1.49,44.95) v2(1.49,73.09)
  Bottom w0.2: v2(1.49,44.95) 1.86,44.58 D94.3 ; v2(1.49,73.09) D79.1
Net-(D79-Pad3): length 5.7
  Bottom w0.2: D83.1 1.49,79.04 1.49,77.09 1.86,76.72 D79.3
Net-(D80-Pad3): length 59.9
  Bottom w0.2: D80.3 81.49,115.42 81.86,115.79 137.98,115.79 D84.1
Net-(D81-Pad1): length 71.7
  Bottom w0.2: D81.1 175.92,5.95 178.3,8.33 184.55,8.33 185.21,7.67 D85.3
Net-(D82-Pad3): length 31.9
  Top w0.2: v2(314.03,75.31) v2(314.03,47.17)
  Bottom w0.2: v2(314.03,75.31) 313.66,75.68 D82.3 ; v2(314.03,47.17) D89.1
Net-(D84-Pad3): length 69.4
  Bottom w0.2: D84.3 141.61,115.42 141.98,115.79 207.63,115.79 D91.1
Net-(D85-Pad1): length 41.3
  Bottom w0.2: D92.3 225.69,7.67 225.03,8.33 189.74,8.33 D85.1
Net-(D86-Pad2): length 2.8
  Bottom w0.2: D86.2 R11.1
Net-(D87-Pad2): length 2.8
  Bottom w0.2: D87.2 R12.1
Net-(D88-Pad2): length 2.8
  Bottom w0.2: D88.2 R13.1
Net-(D89-Pad3): length 5.7
  Bottom w0.2: D93.1 314.03,41.21 314.03,43.16 313.66,43.53 D89.3
Net-(D90-Pad3): length 5.7
  Bottom w0.2: D94.1 1.49,40.94 1.49,38.99 1.86,38.62 D90.3
Net-(D91-Pad3): length 58.1
  Bottom w0.2: 211.27,114.3 211.27,115.42 211.63,115.79 265.97,115.79 D95.1
Net-(D92-Pad1): length 65.5
  Bottom w0.2: D92.1 254.2,5.95 256.28,3.87 283.67,3.87 284.56,4.76 290.22,4.76 290.58,4.39 D96.3
Net-(D97-Pad2): length 26
  Bottom w0.2: D97.2 296.93,109.4 300.36,112.83 MX98.2
Net-(D98-Pad2): length 26
  Bottom w0.2: MX99.2 300.06,93.78 296.63,90.35 D98.2
Net-(D99-Pad2): length 67.4
  Top w0.2: v2(294.98,65.19) v2(286.95,65.19)
  Bottom w0.2: v2(294.98,65.19) 294.98,68.56 301.15,74.73 307.34,74.73 ; D99.2 262.07,77.09 280.39,77.09 286.95,70.54 v2(286.95,65.19)
Net-(D100-Pad2): length 68.7
  Top w0.2: v2(286.35,64.59) v2(295.57,64.59)
  Bottom w0.2: D100.2 264.06,76.69 280.23,76.69 286.35,70.57 v2(286.35,64.59) ; MX101.2 308.53,63.13 307.07,64.59 v2(295.57,64.59)
Net-(D101-Pad2): length 43.3
  Top w0.2: v2(284.58,36.63) v2(292.28,36.63)
  Bottom w0.2: D101.2 270.13,36.63 v2(284.58,36.63) ; MX102.2 v2(292.28,36.63)
Net-(D102-Pad2): length 10.7
  Bottom w0.2: 207.33,23.51 MX67.2 MX66.2
Net-(D103-Pad2): length 21.9
  Bottom w0.2: MX73.1 212.72,19.65 219.55,19.65 MX74.2 221.62,23.22
Net-(D104-Pad2): length 10.7
  Top w0.4: MX81.2 MX82.2
  Bottom w0.2: MX81.2 235.9,23.51
Net-(D105-Pad2): length 5.1
  Bottom w0.2: MX88.2 270.19,12.22
Net-(D106-Pad2): length 5.1
  Bottom w0.2: MX95.2 289.24,12.22
Net-(D107-Pad2): length 11.4
  Bottom w0.2: MX103.2 291.78,12.22
Net-(D108-Pad2): length 24.7
  Top w0.4: MX42.2 MX43.2
  Bottom w0.2: 126.37,23.22 MX44.2 MX42.2 ; MX43.2 MX45.2
Net-(F1-Pad2): length 12.7
  Top w0.4: USB1.11 288.66,113.64 v1(288.13,113.11) ; USB1.2 v1(293.56,113.64)
  Bottom w0.4: v1(293.56,113.64) 288.66,113.64 v1(288.13,113.11) F1.2
Net-(Q1-Pad3): length 1.6
  Bottom w0.2: R2.2 Q1.3
Net-(R4-Pad2): length 46.2
  Top w0.2: v2(295.51,76.18) 295.51,78.02 287.44,86.09 287.44,109.25 292.36,114.17 USB1.4
  Bottom w0.2: R4.2 v2(295.51,76.18)
Net-(R5-Pad2): length 42.6
  Top w0.2: v2(287.51,76.22) 287.51,84.32 286.24,85.59 286.24,109.75 289.36,112.86 USB1.10
  Bottom w0.2: R5.2 v2(287.51,76.22)
Net-(R9-Pad2): length 35.5
  Top w0.2: v2(298.86,63.1) 298.86,65.12 298.26,65.72 298.26,74.21 299.85,75.8 v2(299.85,82.35)
  Bottom w0.2: v2(299.85,82.35) 301.14,83.64 R9.2 ; U1.41 296.7,54.92 298.86,57.08 v2(298.86,63.1)

## Copper pours and planes (outline as drawn; the poured copper is in the pictures)
GND on Top: 333.67,-25.3 -11.31,-25.3 -11.31,137.52 333.67,137.52
GND on Bottom: 333.67,-25.3 -11.31,-25.3 -11.31,137.52 333.67,137.52
VCC on Bottom: 312.04,104.16 312.11,104.16 312.18,104.15 312.24,104.15 312.29,104.14 312.35,104.14 312.4,104.13 312.45,104.11 313.36,103.59 314.16,104.36 313.36,105.12 312.45,104.6 312.4,104.59 312.35,104.58 312.29,104.57 312.24,104.57 312.18,104.56 312.11,104.56 312.04,104.56
